# Altium PCB FMC_HPC_TO_LPC_BREAKOUT.PcbDoc (part 3 of 3)
Units mm, origin at the board's own origin, x right, y up, seen from the top; angles counter-clockwise.
Board outline 78.8 x 69 mm, 6 copper layers (Component Side L1, Layer 2, Layer 3, Layer 4, Layer 5, Bottom Layer L6), stack 1.527 mm thick; 19 components, 400 nets, 980 pads, 723 vias.
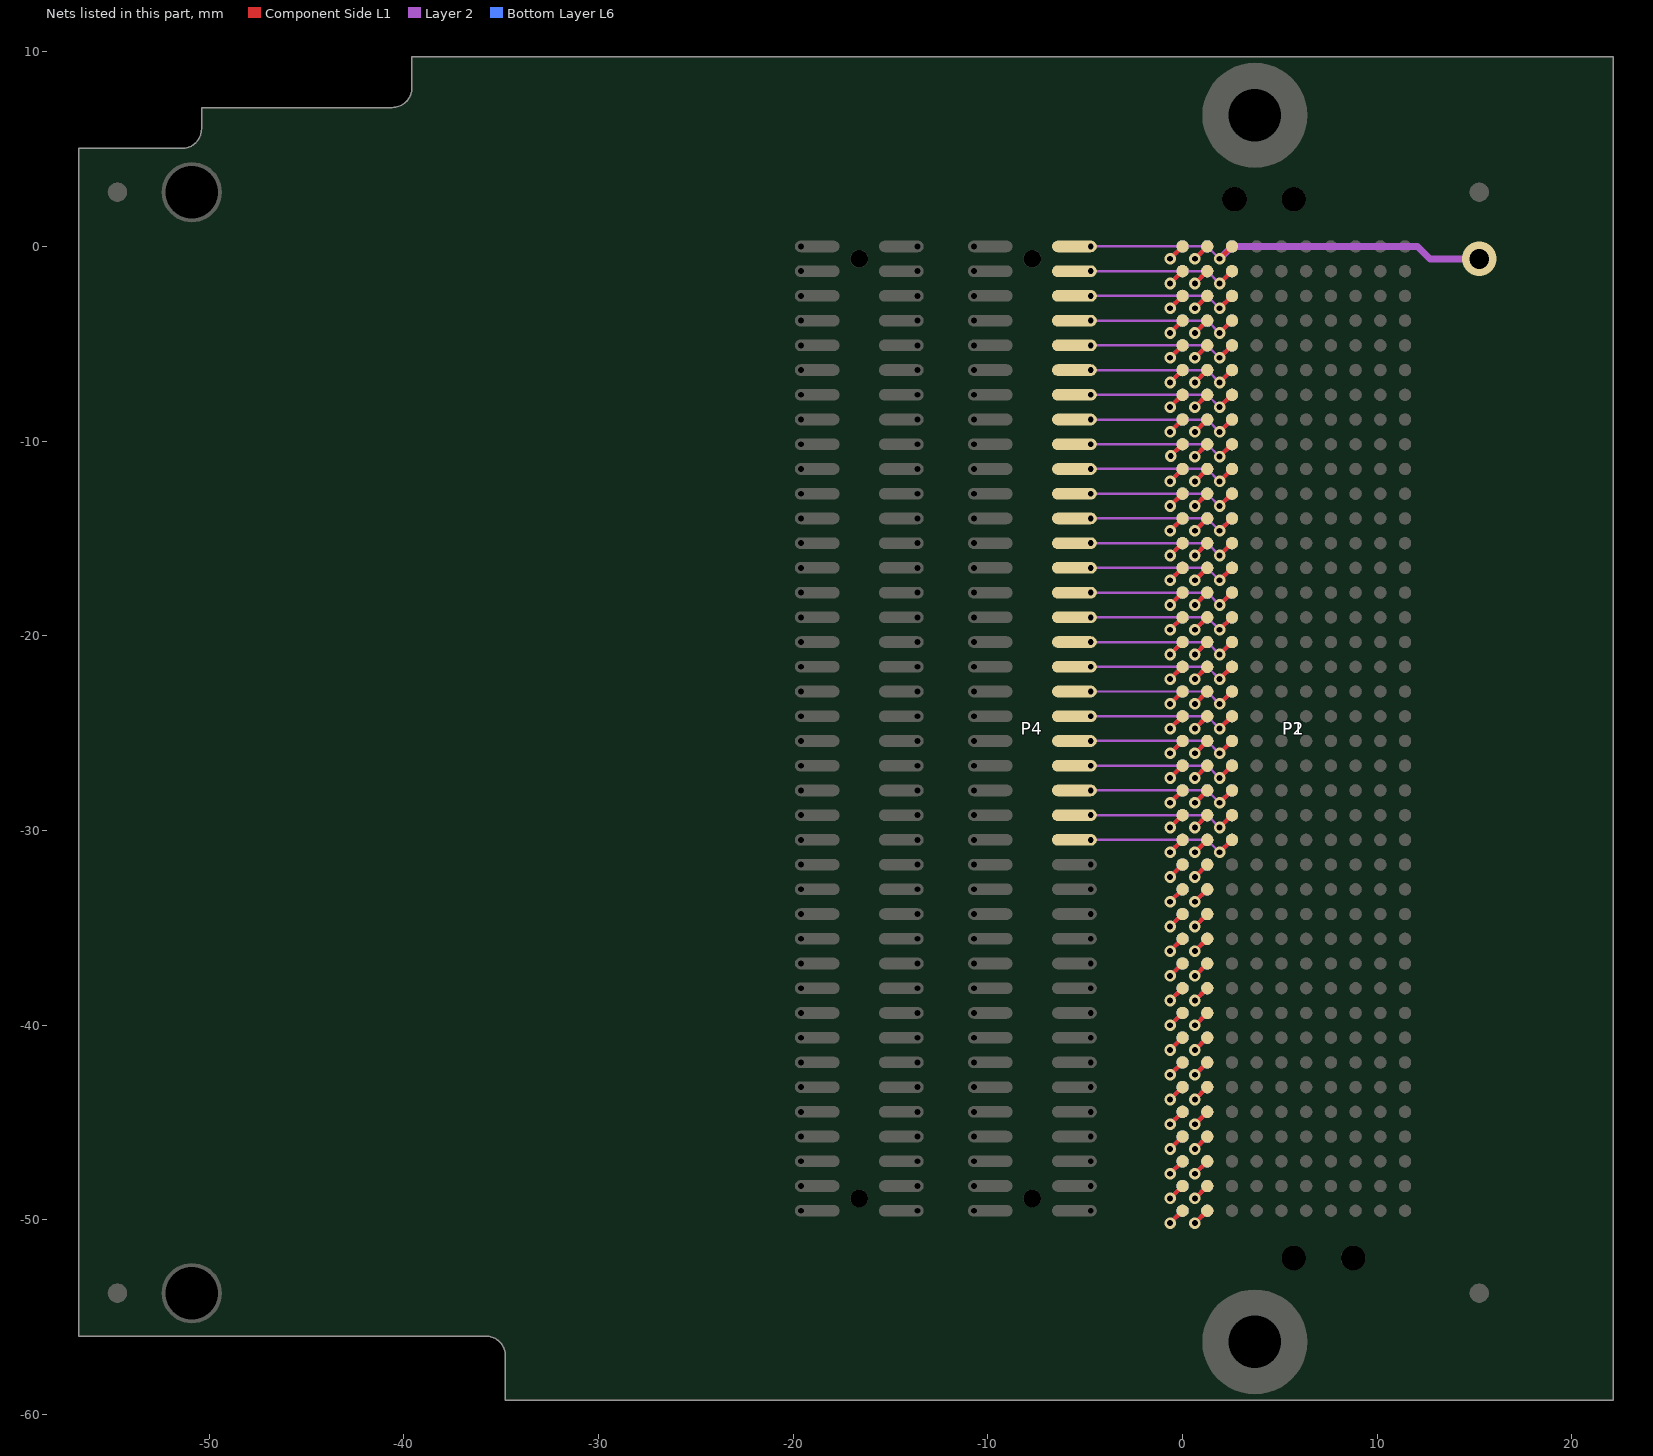
[diagram p7: the nets of this part, all layers, seen from the top]

## Via types
v1: diameter 0.6, hole 0.3, Component Side L1 to Bottom Layer L6, tented both sides, 400 vias
v2: diameter 1.778, hole 1.016, Component Side L1 to Bottom Layer L6, 323 vias

## Nets (pads, with @x,y where several pads share a name; then routed paths per layer and width w, separated by ;. In a path a pad name is that pad's centre, name@x,y a point inside that pad or via, vN(x,y) a via of type N, cw(c..) or ccw(c..) an arc to the next point about the centre after c; other vN are vias at no path point) (continued)
H16: P1.H16 P2.H16 P4.32 | length 8.7
  Component Side L1 w0.215: v1(1.905,-31.115) P1.H16@2.54,-30.48
  Layer 2 w0.127: P4.32@-4.715,-30.48 1.27,-30.48 v1(1.905,-31.115)
  Bottom Layer L6 w0.215: v1(1.905,-31.115) P2.H16@2.54,-30.48
H17: P1.H17 P2.H17 P4.34 | length 8.7
  Component Side L1 w0.215: v1(1.905,-29.845) P1.H17@2.54,-29.21
  Layer 2 w0.127: P4.34@-4.715,-29.21 1.27,-29.21 v1(1.905,-29.845)
  Bottom Layer L6 w0.215: v1(1.905,-29.845) P2.H17@2.54,-29.21
H18: P1.H18 P2.H18 P4.36 | length 8.7
  Component Side L1 w0.215: v1(1.905,-28.575) P1.H18@2.54,-27.94
  Layer 2 w0.127: P4.36@-4.715,-27.94 1.27,-27.94 v1(1.905,-28.575)
  Bottom Layer L6 w0.215: v1(1.905,-28.575) P2.H18@2.54,-27.94
H19: P1.H19 P2.H19 P4.38 | length 8.7
  Component Side L1 w0.215: v1(1.905,-27.305) P1.H19@2.54,-26.67
  Layer 2 w0.127: P4.38@-4.715,-26.67 1.27,-26.67 v1(1.905,-27.305)
  Bottom Layer L6 w0.215: v1(1.905,-27.305) P2.H19@2.54,-26.67
H20: P1.H20 P2.H20 P4.40 | length 8.7
  Component Side L1 w0.215: v1(1.905,-26.035) P1.H20@2.54,-25.4
  Layer 2 w0.127: P4.40@-4.715,-25.4 1.27,-25.4 v1(1.905,-26.035)
  Bottom Layer L6 w0.215: v1(1.905,-26.035) P2.H20@2.54,-25.4
H21: P1.H21 P2.H21 P4.42 | length 8.7
  Component Side L1 w0.215: v1(1.905,-24.765) P1.H21@2.54,-24.13
  Layer 2 w0.127: P4.42@-4.715,-24.13 1.27,-24.13 v1(1.905,-24.765)
  Bottom Layer L6 w0.215: v1(1.905,-24.765) P2.H21@2.54,-24.13
H22: P1.H22 P2.H22 P4.44 | length 8.7
  Component Side L1 w0.215: v1(1.905,-23.495) P1.H22@2.54,-22.86
  Layer 2 w0.127: P4.44@-4.715,-22.86 1.27,-22.86 v1(1.905,-23.495)
  Bottom Layer L6 w0.215: v1(1.905,-23.495) P2.H22@2.54,-22.86
H23: P1.H23 P2.H23 P4.46 | length 8.7
  Component Side L1 w0.215: v1(1.905,-22.225) P1.H23@2.54,-21.59
  Layer 2 w0.127: P4.46@-4.715,-21.59 1.27,-21.59 v1(1.905,-22.225)
  Bottom Layer L6 w0.215: v1(1.905,-22.225) P2.H23@2.54,-21.59
H24: P1.H24 P2.H24 P4.48 | length 8.7
  Component Side L1 w0.215: v1(1.905,-20.955) P1.H24@2.54,-20.32
  Layer 2 w0.127: P4.48@-4.715,-20.32 1.27,-20.32 v1(1.905,-20.955)
  Bottom Layer L6 w0.215: v1(1.905,-20.955) P2.H24@2.54,-20.32
H25: P1.H25 P2.H25 P4.50 | length 8.7
  Component Side L1 w0.215: v1(1.905,-19.685) P1.H25@2.54,-19.05
  Layer 2 w0.127: P4.50@-4.715,-19.05 1.27,-19.05 v1(1.905,-19.685)
  Bottom Layer L6 w0.215: v1(1.905,-19.685) P2.H25@2.54,-19.05
H26: P1.H26 P2.H26 P4.52 | length 8.7
  Component Side L1 w0.215: v1(1.905,-18.415) P1.H26@2.54,-17.78
  Layer 2 w0.127: P4.52@-4.715,-17.78 1.27,-17.78 v1(1.905,-18.415)
  Bottom Layer L6 w0.215: v1(1.905,-18.415) P2.H26@2.54,-17.78
H27: P1.H27 P2.H27 P4.54 | length 8.7
  Component Side L1 w0.215: v1(1.905,-17.145) P1.H27@2.54,-16.51
  Layer 2 w0.127: P4.54@-4.715,-16.51 1.27,-16.51 v1(1.905,-17.145)
  Bottom Layer L6 w0.215: v1(1.905,-17.145) P2.H27@2.54,-16.51
H28: P1.H28 P2.H28 P4.56 | length 8.7
  Component Side L1 w0.215: v1(1.905,-15.875) P1.H28@2.54,-15.24
  Layer 2 w0.127: P4.56@-4.715,-15.24 1.27,-15.24 v1(1.905,-15.875)
  Bottom Layer L6 w0.215: v1(1.905,-15.875) P2.H28@2.54,-15.24
H29: P1.H29 P2.H29 P4.58 | length 8.7
  Component Side L1 w0.215: v1(1.905,-14.605) P1.H29@2.54,-13.97
  Layer 2 w0.127: P4.58@-4.715,-13.97 1.27,-13.97 v1(1.905,-14.605)
  Bottom Layer L6 w0.215: v1(1.905,-14.605) P2.H29@2.54,-13.97
H30: P1.H30 P2.H30 P4.60 | length 8.7
  Component Side L1 w0.215: v1(1.905,-13.335) P1.H30@2.54,-12.7
  Layer 2 w0.127: P4.60@-4.715,-12.7 1.27,-12.7 v1(1.905,-13.335)
  Bottom Layer L6 w0.215: v1(1.905,-13.335) P2.H30@2.54,-12.7
H31: P1.H31 P2.H31 P4.62 | length 8.7
  Component Side L1 w0.215: v1(1.905,-12.065) P1.H31@2.54,-11.43
  Layer 2 w0.127: P4.62@-4.715,-11.43 1.27,-11.43 v1(1.905,-12.065)
  Bottom Layer L6 w0.215: v1(1.905,-12.065) P2.H31@2.54,-11.43
H32: P1.H32 P2.H32 P4.64 | length 8.7
  Component Side L1 w0.215: v1(1.905,-10.795) P1.H32@2.54,-10.16
  Layer 2 w0.127: P4.64@-4.715,-10.16 1.27,-10.16 v1(1.905,-10.795)
  Bottom Layer L6 w0.215: v1(1.905,-10.795) P2.H32@2.54,-10.16
H33: P1.H33 P2.H33 P4.66 | length 8.7
  Component Side L1 w0.215: v1(1.905,-9.525) P1.H33@2.54,-8.89
  Layer 2 w0.127: P4.66@-4.715,-8.89 1.27,-8.89 v1(1.905,-9.525)
  Bottom Layer L6 w0.215: v1(1.905,-9.525) P2.H33@2.54,-8.89
H34: P1.H34 P2.H34 P4.68 | length 8.7
  Component Side L1 w0.215: v1(1.905,-8.255) P1.H34@2.54,-7.62
  Layer 2 w0.127: P4.68@-4.715,-7.62 1.27,-7.62 v1(1.905,-8.255)
  Bottom Layer L6 w0.215: v1(1.905,-8.255) P2.H34@2.54,-7.62
H35: P1.H35 P2.H35 P4.70 | length 8.7
  Component Side L1 w0.215: v1(1.905,-6.985) P1.H35@2.54,-6.35
  Layer 2 w0.127: P4.70@-4.715,-6.35 1.27,-6.35 v1(1.905,-6.985)
  Bottom Layer L6 w0.215: v1(1.905,-6.985) P2.H35@2.54,-6.35
H36: P1.H36 P2.H36 P4.72 | length 8.7
  Component Side L1 w0.215: v1(1.905,-5.715) P1.H36@2.54,-5.08
  Layer 2 w0.127: P4.72@-4.715,-5.08 1.27,-5.08 v1(1.905,-5.715)
  Bottom Layer L6 w0.215: v1(1.905,-5.715) P2.H36@2.54,-5.08
H37: P1.H37 P2.H37 P4.74 | length 8.7
  Component Side L1 w0.215: v1(1.905,-4.445) P1.H37@2.54,-3.81
  Layer 2 w0.127: P4.74@-4.715,-3.81 1.27,-3.81 v1(1.905,-4.445)
  Bottom Layer L6 w0.215: v1(1.905,-4.445) P2.H37@2.54,-3.81
H38: P1.H38 P2.H38 P4.76 | length 8.7
  Component Side L1 w0.215: v1(1.905,-3.175) P1.H38@2.54,-2.54
  Layer 2 w0.127: P4.76@-4.715,-2.54 1.27,-2.54 v1(1.905,-3.175)
  Bottom Layer L6 w0.215: v1(1.905,-3.175) P2.H38@2.54,-2.54
H39: P1.H39 P2.H39 P4.78 | length 8.7
  Component Side L1 w0.215: v1(1.905,-1.905) P1.H39@2.54,-1.27
  Layer 2 w0.127: P4.78@-4.715,-1.27 1.27,-1.27 v1(1.905,-1.905)
  Bottom Layer L6 w0.215: v1(1.905,-1.905) P2.H39@2.54,-1.27
H40: P1.H40 P2.H40 P4.80 | length 22.5
  Component Side L1 w0.215: v1(1.905,-0.635) P1.H40@2.54,0
  Layer 2 w0.127: P4.80@-4.715,0 1.27,0 v1(1.905,-0.635)
  Layer 2 w0.35: v1(1.905,-0.635) 2.54,0 12.065,0 12.705,-0.64 v2(15.24,-0.64)
  Bottom Layer L6 w0.215: v1(1.905,-0.635) P2.H40@2.54,0
J1: P1.J1 P2.J1 | length 1.8
  Component Side L1 w0.215: v1(0.635,-50.165) P1.J1@1.27,-49.53
  Bottom Layer L6 w0.215: v1(0.635,-50.165) P2.J1@1.27,-49.53
J2: P1.J2 P2.J2 | length 1.8
  Component Side L1 w0.215: v1(0.635,-48.895) P1.J2@1.27,-48.26
  Bottom Layer L6 w0.215: v1(0.635,-48.895) P2.J2@1.27,-48.26
J3: P1.J3 P2.J3 | length 1.8
  Component Side L1 w0.215: v1(0.635,-47.625) P1.J3@1.27,-46.99
  Bottom Layer L6 w0.215: v1(0.635,-47.625) P2.J3@1.27,-46.99
J4: P1.J4 P2.J4 | length 1.8
  Component Side L1 w0.215: v1(0.635,-46.355) P1.J4@1.27,-45.72
  Bottom Layer L6 w0.215: v1(0.635,-46.355) P2.J4@1.27,-45.72
J5: P1.J5 P2.J5 | length 1.8
  Component Side L1 w0.215: v1(0.635,-45.085) P1.J5@1.27,-44.45
  Bottom Layer L6 w0.215: v1(0.635,-45.085) P2.J5@1.27,-44.45
J6: P1.J6 P2.J6 | length 1.8
  Component Side L1 w0.215: v1(0.635,-43.815) P1.J6@1.27,-43.18
  Bottom Layer L6 w0.215: v1(0.635,-43.815) P2.J6@1.27,-43.18
J7: P1.J7 P2.J7 | length 1.8
  Component Side L1 w0.215: v1(0.635,-42.545) P1.J7@1.27,-41.91
  Bottom Layer L6 w0.215: v1(0.635,-42.545) P2.J7@1.27,-41.91
J8: P1.J8 P2.J8 | length 1.8
  Component Side L1 w0.215: v1(0.635,-41.275) P1.J8@1.27,-40.64
  Bottom Layer L6 w0.215: v1(0.635,-41.275) P2.J8@1.27,-40.64
J9: P1.J9 P2.J9 | length 1.8
  Component Side L1 w0.215: v1(0.635,-40.005) P1.J9@1.27,-39.37
  Bottom Layer L6 w0.215: v1(0.635,-40.005) P2.J9@1.27,-39.37
J10: P1.J10 P2.J10 | length 1.8
  Component Side L1 w0.215: v1(0.635,-38.735) P1.J10@1.27,-38.1
  Bottom Layer L6 w0.215: v1(0.635,-38.735) P2.J10@1.27,-38.1
J11: P1.J11 P2.J11 | length 1.8
  Component Side L1 w0.215: v1(0.635,-37.465) P1.J11@1.27,-36.83
  Bottom Layer L6 w0.215: v1(0.635,-37.465) P2.J11@1.27,-36.83
J12: P1.J12 P2.J12 | length 1.8
  Component Side L1 w0.215: v1(0.635,-36.195) P1.J12@1.27,-35.56
  Bottom Layer L6 w0.215: v1(0.635,-36.195) P2.J12@1.27,-35.56
J13: P1.J13 P2.J13 | length 1.8
  Component Side L1 w0.215: v1(0.635,-34.925) P1.J13@1.27,-34.29
  Bottom Layer L6 w0.215: v1(0.635,-34.925) P2.J13@1.27,-34.29
J14: P1.J14 P2.J14 | length 1.8
  Component Side L1 w0.215: v1(0.635,-33.655) P1.J14@1.27,-33.02
  Bottom Layer L6 w0.215: v1(0.635,-33.655) P2.J14@1.27,-33.02
J15: P1.J15 P2.J15 | length 1.8
  Component Side L1 w0.215: v1(0.635,-32.385) P1.J15@1.27,-31.75
  Bottom Layer L6 w0.215: v1(0.635,-32.385) P2.J15@1.27,-31.75
J16: P1.J16 P2.J16 | length 1.8
  Component Side L1 w0.215: v1(0.635,-31.115) P1.J16@1.27,-30.48
  Bottom Layer L6 w0.215: v1(0.635,-31.115) P2.J16@1.27,-30.48
J17: P1.J17 P2.J17 | length 1.8
  Component Side L1 w0.215: v1(0.635,-29.845) P1.J17@1.27,-29.21
  Bottom Layer L6 w0.215: v1(0.635,-29.845) P2.J17@1.27,-29.21
J18: P1.J18 P2.J18 | length 1.8
  Component Side L1 w0.215: v1(0.635,-28.575) P1.J18@1.27,-27.94
  Bottom Layer L6 w0.215: v1(0.635,-28.575) P2.J18@1.27,-27.94
J19: P1.J19 P2.J19 | length 1.8
  Component Side L1 w0.215: v1(0.635,-27.305) P1.J19@1.27,-26.67
  Bottom Layer L6 w0.215: v1(0.635,-27.305) P2.J19@1.27,-26.67
J20: P1.J20 P2.J20 | length 1.8
  Component Side L1 w0.215: v1(0.635,-26.035) P1.J20@1.27,-25.4
  Bottom Layer L6 w0.215: v1(0.635,-26.035) P2.J20@1.27,-25.4
J21: P1.J21 P2.J21 | length 1.8
  Component Side L1 w0.215: v1(0.635,-24.765) P1.J21@1.27,-24.13
  Bottom Layer L6 w0.215: v1(0.635,-24.765) P2.J21@1.27,-24.13
J22: P1.J22 P2.J22 | length 1.8
  Component Side L1 w0.215: v1(0.635,-23.495) P1.J22@1.27,-22.86
  Bottom Layer L6 w0.215: v1(0.635,-23.495) P2.J22@1.27,-22.86
J23: P1.J23 P2.J23 | length 1.8
  Component Side L1 w0.215: v1(0.635,-22.225) P1.J23@1.27,-21.59
  Bottom Layer L6 w0.215: v1(0.635,-22.225) P2.J23@1.27,-21.59
J24: P1.J24 P2.J24 | length 1.8
  Component Side L1 w0.215: v1(0.635,-20.955) P1.J24@1.27,-20.32
  Bottom Layer L6 w0.215: v1(0.635,-20.955) P2.J24@1.27,-20.32
J25: P1.J25 P2.J25 | length 1.8
  Component Side L1 w0.215: v1(0.635,-19.685) P1.J25@1.27,-19.05
  Bottom Layer L6 w0.215: v1(0.635,-19.685) P2.J25@1.27,-19.05
J26: P1.J26 P2.J26 | length 1.8
  Component Side L1 w0.215: v1(0.635,-18.415) P1.J26@1.27,-17.78
  Bottom Layer L6 w0.215: v1(0.635,-18.415) P2.J26@1.27,-17.78
J27: P1.J27 P2.J27 | length 1.8
  Component Side L1 w0.215: v1(0.635,-17.145) P1.J27@1.27,-16.51
  Bottom Layer L6 w0.215: v1(0.635,-17.145) P2.J27@1.27,-16.51
J28: P1.J28 P2.J28 | length 1.8
  Component Side L1 w0.215: v1(0.635,-15.875) P1.J28@1.27,-15.24
  Bottom Layer L6 w0.215: v1(0.635,-15.875) P2.J28@1.27,-15.24
J29: P1.J29 P2.J29 | length 1.8
  Component Side L1 w0.215: v1(0.635,-14.605) P1.J29@1.27,-13.97
  Bottom Layer L6 w0.215: v1(0.635,-14.605) P2.J29@1.27,-13.97
J30: P1.J30 P2.J30 | length 1.8
  Component Side L1 w0.215: v1(0.635,-13.335) P1.J30@1.27,-12.7
  Bottom Layer L6 w0.215: v1(0.635,-13.335) P2.J30@1.27,-12.7
J31: P1.J31 P2.J31 | length 1.8
  Component Side L1 w0.215: v1(0.635,-12.065) P1.J31@1.27,-11.43
  Bottom Layer L6 w0.215: v1(0.635,-12.065) P2.J31@1.27,-11.43
J32: P1.J32 P2.J32 | length 1.8
  Component Side L1 w0.215: v1(0.635,-10.795) P1.J32@1.27,-10.16
  Bottom Layer L6 w0.215: v1(0.635,-10.795) P2.J32@1.27,-10.16
J33: P1.J33 P2.J33 | length 1.8
  Component Side L1 w0.215: v1(0.635,-9.525) P1.J33@1.27,-8.89
  Bottom Layer L6 w0.215: v1(0.635,-9.525) P2.J33@1.27,-8.89
J34: P1.J34 P2.J34 | length 1.8
  Component Side L1 w0.215: v1(0.635,-8.255) P1.J34@1.27,-7.62
  Bottom Layer L6 w0.215: v1(0.635,-8.255) P2.J34@1.27,-7.62
J35: P1.J35 P2.J35 | length 1.8
  Component Side L1 w0.215: v1(0.635,-6.985) P1.J35@1.27,-6.35
  Bottom Layer L6 w0.215: v1(0.635,-6.985) P2.J35@1.27,-6.35
J36: P1.J36 P2.J36 | length 1.8
  Component Side L1 w0.215: v1(0.635,-5.715) P1.J36@1.27,-5.08
  Bottom Layer L6 w0.215: v1(0.635,-5.715) P2.J36@1.27,-5.08
J37: P1.J37 P2.J37 | length 1.8
  Component Side L1 w0.215: v1(0.635,-4.445) P1.J37@1.27,-3.81
  Bottom Layer L6 w0.215: v1(0.635,-4.445) P2.J37@1.27,-3.81
J38: P1.J38 P2.J38 | length 1.8
  Component Side L1 w0.215: v1(0.635,-3.175) P1.J38@1.27,-2.54
  Bottom Layer L6 w0.215: v1(0.635,-3.175) P2.J38@1.27,-2.54
J39: P1.J39 P2.J39 | length 1.8
  Component Side L1 w0.215: v1(0.635,-1.905) P1.J39@1.27,-1.27
  Bottom Layer L6 w0.215: v1(0.635,-1.905) P2.J39@1.27,-1.27
J40: P1.J40 P2.J40 | length 1.8
  Component Side L1 w0.215: v1(0.635,-0.635) P1.J40@1.27,0
  Bottom Layer L6 w0.215: v1(0.635,-0.635) P2.J40@1.27,0
K1: P1.K1 P2.K1 | length 1.8
  Component Side L1 w0.215: v1(-0.635,-50.165) P1.K1@0,-49.53
  Bottom Layer L6 w0.215: v1(-0.635,-50.165) P2.K1@0,-49.53
K2: P1.K2 P2.K2 | length 1.8
  Component Side L1 w0.215: v1(-0.635,-48.895) P1.K2@0,-48.26
  Bottom Layer L6 w0.215: v1(-0.635,-48.895) P2.K2@0,-48.26
K3: P1.K3 P2.K3 | length 1.8
  Component Side L1 w0.215: v1(-0.635,-47.625) P1.K3@0,-46.99
  Bottom Layer L6 w0.215: v1(-0.635,-47.625) P2.K3@0,-46.99
K4: P1.K4 P2.K4 | length 1.8
  Component Side L1 w0.215: v1(-0.635,-46.355) P1.K4@0,-45.72
  Bottom Layer L6 w0.215: v1(-0.635,-46.355) P2.K4@0,-45.72
K5: P1.K5 P2.K5 | length 1.8
  Component Side L1 w0.215: v1(-0.635,-45.085) P1.K5@0,-44.45
  Bottom Layer L6 w0.215: v1(-0.635,-45.085) P2.K5@0,-44.45
K6: P1.K6 P2.K6 | length 1.8
  Component Side L1 w0.215: v1(-0.635,-43.815) P1.K6@0,-43.18
  Bottom Layer L6 w0.215: v1(-0.635,-43.815) P2.K6@0,-43.18
K7: P1.K7 P2.K7 | length 1.8
  Component Side L1 w0.215: v1(-0.635,-42.545) P1.K7@0,-41.91
  Bottom Layer L6 w0.215: v1(-0.635,-42.545) P2.K7@0,-41.91
K8: P1.K8 P2.K8 | length 1.8
  Component Side L1 w0.215: v1(-0.635,-41.275) P1.K8@0,-40.64
  Bottom Layer L6 w0.215: v1(-0.635,-41.275) P2.K8@0,-40.64
K9: P1.K9 P2.K9 | length 1.8
  Component Side L1 w0.215: v1(-0.635,-40.005) P1.K9@0,-39.37
  Bottom Layer L6 w0.215: v1(-0.635,-40.005) P2.K9@0,-39.37
K10: P1.K10 P2.K10 | length 1.8
  Component Side L1 w0.215: v1(-0.635,-38.735) P1.K10@0,-38.1
  Bottom Layer L6 w0.215: v1(-0.635,-38.735) P2.K10@0,-38.1
K11: P1.K11 P2.K11 | length 1.8
  Component Side L1 w0.215: v1(-0.635,-37.465) P1.K11@0,-36.83
  Bottom Layer L6 w0.215: v1(-0.635,-37.465) P2.K11@0,-36.83
K12: P1.K12 P2.K12 | length 1.8
  Component Side L1 w0.215: v1(-0.635,-36.195) P1.K12@0,-35.56
  Bottom Layer L6 w0.215: v1(-0.635,-36.195) P2.K12@0,-35.56
K13: P1.K13 P2.K13 | length 1.8
  Component Side L1 w0.215: v1(-0.635,-34.925) P1.K13@0,-34.29
  Bottom Layer L6 w0.215: v1(-0.635,-34.925) P2.K13@0,-34.29
K14: P1.K14 P2.K14 | length 1.8
  Component Side L1 w0.215: v1(-0.635,-33.655) P1.K14@0,-33.02
  Bottom Layer L6 w0.215: v1(-0.635,-33.655) P2.K14@0,-33.02
K15: P1.K15 P2.K15 | length 1.8
  Component Side L1 w0.215: v1(-0.635,-32.385) P1.K15@0,-31.75
  Bottom Layer L6 w0.215: v1(-0.635,-32.385) P2.K15@0,-31.75
K16: P1.K16 P2.K16 | length 1.8
  Component Side L1 w0.215: v1(-0.635,-31.115) P1.K16@0,-30.48
  Bottom Layer L6 w0.215: v1(-0.635,-31.115) P2.K16@0,-30.48
K17: P1.K17 P2.K17 | length 1.8
  Component Side L1 w0.215: v1(-0.635,-29.845) P1.K17@0,-29.21
  Bottom Layer L6 w0.215: v1(-0.635,-29.845) P2.K17@0,-29.21
K18: P1.K18 P2.K18 | length 1.8
  Component Side L1 w0.215: v1(-0.635,-28.575) P1.K18@0,-27.94
  Bottom Layer L6 w0.215: v1(-0.635,-28.575) P2.K18@0,-27.94
K19: P1.K19 P2.K19 | length 1.8
  Component Side L1 w0.215: v1(-0.635,-27.305) P1.K19@0,-26.67
  Bottom Layer L6 w0.215: v1(-0.635,-27.305) P2.K19@0,-26.67
K20: P1.K20 P2.K20 | length 1.8
  Component Side L1 w0.215: v1(-0.635,-26.035) P1.K20@0,-25.4
  Bottom Layer L6 w0.215: v1(-0.635,-26.035) P2.K20@0,-25.4
K21: P1.K21 P2.K21 | length 1.8
  Component Side L1 w0.215: v1(-0.635,-24.765) P1.K21@0,-24.13
  Bottom Layer L6 w0.215: v1(-0.635,-24.765) P2.K21@0,-24.13
K22: P1.K22 P2.K22 | length 1.8
  Component Side L1 w0.215: v1(-0.635,-23.495) P1.K22@0,-22.86
  Bottom Layer L6 w0.215: v1(-0.635,-23.495) P2.K22@0,-22.86
K23: P1.K23 P2.K23 | length 1.8
  Component Side L1 w0.215: v1(-0.635,-22.225) P1.K23@0,-21.59
  Bottom Layer L6 w0.215: v1(-0.635,-22.225) P2.K23@0,-21.59
K24: P1.K24 P2.K24 | length 1.8
  Component Side L1 w0.215: v1(-0.635,-20.955) P1.K24@0,-20.32
  Bottom Layer L6 w0.215: v1(-0.635,-20.955) P2.K24@0,-20.32
K25: P1.K25 P2.K25 | length 1.8
  Component Side L1 w0.215: v1(-0.635,-19.685) P1.K25@0,-19.05
  Bottom Layer L6 w0.215: v1(-0.635,-19.685) P2.K25@0,-19.05
K26: P1.K26 P2.K26 | length 1.8
  Component Side L1 w0.215: v1(-0.635,-18.415) P1.K26@0,-17.78
  Bottom Layer L6 w0.215: v1(-0.635,-18.415) P2.K26@0,-17.78
K27: P1.K27 P2.K27 | length 1.8
  Component Side L1 w0.215: v1(-0.635,-17.145) P1.K27@0,-16.51
  Bottom Layer L6 w0.215: v1(-0.635,-17.145) P2.K27@0,-16.51
K28: P1.K28 P2.K28 | length 1.8
  Component Side L1 w0.215: v1(-0.635,-15.875) P1.K28@0,-15.24
  Bottom Layer L6 w0.215: v1(-0.635,-15.875) P2.K28@0,-15.24
K29: P1.K29 P2.K29 | length 1.8
  Component Side L1 w0.215: v1(-0.635,-14.605) P1.K29@0,-13.97
  Bottom Layer L6 w0.215: v1(-0.635,-14.605) P2.K29@0,-13.97
K30: P1.K30 P2.K30 | length 1.8
  Component Side L1 w0.215: v1(-0.635,-13.335) P1.K30@0,-12.7
  Bottom Layer L6 w0.215: v1(-0.635,-13.335) P2.K30@0,-12.7
K31: P1.K31 P2.K31 | length 1.8
  Component Side L1 w0.215: v1(-0.635,-12.065) P1.K31@0,-11.43
  Bottom Layer L6 w0.215: v1(-0.635,-12.065) P2.K31@0,-11.43
K32: P1.K32 P2.K32 | length 1.7
  Component Side L1 w0.215: v1(-0.608,-10.768) P1.K32@0,-10.16
  Bottom Layer L6 w0.215: v1(-0.608,-10.768) P2.K32@0,-10.16
K33: P1.K33 P2.K33 | length 1.8
  Component Side L1 w0.215: v1(-0.635,-9.525) P1.K33@0,-8.89
  Bottom Layer L6 w0.215: v1(-0.635,-9.525) P2.K33@0,-8.89
K34: P1.K34 P2.K34 | length 1.8
  Component Side L1 w0.215: v1(-0.635,-8.255) P1.K34@0,-7.62
  Bottom Layer L6 w0.215: v1(-0.635,-8.255) P2.K34@0,-7.62
K35: P1.K35 P2.K35 | length 1.8
  Component Side L1 w0.215: v1(-0.635,-6.985) P1.K35@0,-6.35
  Bottom Layer L6 w0.215: v1(-0.635,-6.985) P2.K35@0,-6.35
K36: P1.K36 P2.K36 | length 1.8
  Component Side L1 w0.215: v1(-0.635,-5.715) P1.K36@0,-5.08
  Bottom Layer L6 w0.215: v1(-0.635,-5.715) P2.K36@0,-5.08
K37: P1.K37 P2.K37 | length 1.8
  Component Side L1 w0.215: v1(-0.635,-4.445) P1.K37@0,-3.81
  Bottom Layer L6 w0.215: v1(-0.635,-4.445) P2.K37@0,-3.81
K38: P1.K38 P2.K38 | length 1.8
  Component Side L1 w0.215: v1(-0.635,-3.175) P1.K38@0,-2.54
  Bottom Layer L6 w0.215: v1(-0.635,-3.175) P2.K38@0,-2.54
K39: P1.K39 P2.K39 | length 1.8
  Component Side L1 w0.215: v1(-0.635,-1.905) P1.K39@0,-1.27
  Bottom Layer L6 w0.215: v1(-0.635,-1.905) P2.K39@0,-1.27
K40: P1.K40 P2.K40 | length 1.8
  Component Side L1 w0.215: v1(-0.635,-0.635) P1.K40@0,0
  Bottom Layer L6 w0.215: v1(-0.635,-0.635) P2.K40@0,0
pads on no net: FM1.FD0 FM2.FD0 FM3.FD0 FM4.FD0 FM5.FD0 FM6.FD0 FM7.FD0 FM8.FD0 MH1.0 MH2.0 MH3.0 MH4.0 P1.MH1 P1.MH2 P2.MH1 P2.MH2 P3.81 P3.82 P4.81 P4.82
copper on no net: | length 118.9
  Component Side L1 w0.127: -31.242,6.477 -23.368,6.477 -23.368,8.509 -31.242,8.509 -31.242,6.477
  Layer 2 w0.127: -31.242,6.477 -23.368,6.477 -23.368,8.509 -31.242,8.509 -31.242,6.477
  Layer 5 w0.127: -31.242,6.477 -23.368,6.477 -23.368,8.509 -31.242,8.509 -31.242,6.477
  Layer 3 w0.127: -31.242,6.477 -23.368,6.477 -23.368,8.509 -31.242,8.509 -31.242,6.477
  Layer 4 w0.127: -31.242,6.477 -23.368,6.477 -23.368,8.509 -31.242,8.509 -31.242,6.477
  Bottom Layer L6 w0.127: -31.242,6.477 -23.368,6.477 -23.368,8.509 -31.242,8.509 -31.242,6.477
  other v2: -47.085,-53.725 -44.545,-53.725 -42.005,-53.725 -39.465,-53.725 -36.925,-53.725 -34.385,-53.725 -31.845,-53.725 -29.305,-53.725 -26.765,-53.725 -24.225,-53.725 -54.705,-51.185 -52.165,-51.185 -49.625,-51.185 -47.085,-51.185 -44.545,-51.185 -42.005,-51.185 -39.465,-51.185 -36.925,-51.185 -34.385,-51.185 -31.845,-51.185 -29.305,-51.185 -26.765,-51.185 -24.225,-51.185 -54.705,-48.645 -52.165,-48.645 -49.625,-48.645 -47.085,-48.645 -44.545,-48.645 -42.005,-48.645 -39.465,-48.645 -36.925,-48.645 -34.385,-48.645 -31.845,-48.645 -29.305,-48.645 -26.765,-48.645 -24.225,-48.645 -54.705,-46.105 -52.165,-46.105 -49.625,-46.105 -47.085,-46.105 -44.545,-46.105 -42.005,-46.105 -39.465,-46.105 -36.925,-46.105 -34.385,-46.105 -31.845,-46.105 -29.305,-46.105 -26.765,-46.105 -24.225,-46.105 -54.705,-43.565 -52.165,-43.565 -49.625,-43.565 -47.085,-43.565 -44.545,-43.565 -42.005,-43.565 -39.465,-43.565 -36.925,-43.565 -34.385,-43.565 -31.845,-43.565 -29.305,-43.565 -26.765,-43.565 -24.225,-43.565 -54.705,-41.025 -52.165,-41.025 -49.625,-41.025 -47.085,-41.025 -44.545,-41.025 -42.005,-41.025 -39.465,-41.025 -36.925,-41.025 -34.385,-41.025 -31.845,-41.025 -29.305,-41.025 -26.765,-41.025 -24.225,-41.025 -54.705,-38.485 -52.165,-38.485 -49.625,-38.485 -47.085,-38.485 -44.545,-38.485 -42.005,-38.485 -39.465,-38.485 -36.925,-38.485 -34.385,-38.485 -31.845,-38.485 -29.305,-38.485 -26.765,-38.485 -24.225,-38.485 -54.705,-35.945 -52.165,-35.945 -49.625,-35.945 -47.085,-35.945 -44.545,-35.945 -42.005,-35.945 -39.465,-35.945 -36.925,-35.945 -34.385,-35.945 -31.845,-35.945 -29.305,-35.945 -26.765,-35.945 -24.225,-35.945 -54.705,-33.405 -52.165,-33.405 -49.625,-33.405 -47.085,-33.405 -44.545,-33.405 -42.005,-33.405 -39.465,-33.405 -36.925,-33.405 -34.385,-33.405 -31.845,-33.405 -29.305,-33.405 -26.765,-33.405 -24.225,-33.405 -54.705,-30.865 -52.165,-30.865 -49.625,-30.865 -47.085,-30.865 -44.545,-30.865 -42.005,-30.865 -39.465,-30.865 -36.925,-30.865 -34.385,-30.865 -31.845,-30.865 -29.305,-30.865 -26.765,-30.865 -24.225,-30.865 -54.705,-28.325 -52.165,-28.325 -49.625,-28.325 -47.085,-28.325 -44.545,-28.325 -42.005,-28.325 -39.465,-28.325 -36.925,-28.325 -34.385,-28.325 -31.845,-28.325 -29.305,-28.325 -26.765,-28.325 -24.225,-28.325 -54.705,-25.785 -52.165,-25.785 -49.625,-25.785 -47.085,-25.785 -44.545,-25.785 -42.005,-25.785 -39.465,-25.785 -36.925,-25.785 -34.385,-25.785 -31.845,-25.785 -29.305,-25.785 -26.765,-25.785 -24.225,-25.785 -54.705,-23.245 -52.165,-23.245 -49.625,-23.245 -47.085,-23.245 -44.545,-23.245 -42.005,-23.245 -39.465,-23.245 -36.925,-23.245 -34.385,-23.245 -31.845,-23.245 -29.305,-23.245 -26.765,-23.245 -24.225,-23.245 -54.705,-20.705 -52.165,-20.705 -49.625,-20.705 -47.085,-20.705 -44.545,-20.705 -42.005,-20.705 -39.465,-20.705 -36.925,-20.705 -34.385,-20.705 -31.845,-20.705 -29.305,-20.705 -26.765,-20.705 -24.225,-20.705 -54.705,-18.165 -52.165,-18.165 -49.625,-18.165 -47.085,-18.165 -44.545,-18.165 -42.005,-18.165 -39.465,-18.165 -36.925,-18.165 -34.385,-18.165 -31.845,-18.165 -29.305,-18.165 -26.765,-18.165 -24.225,-18.165 -54.705,-15.625 -52.165,-15.625 -49.625,-15.625 -47.085,-15.625 -44.545,-15.625 -42.005,-15.625 -39.465,-15.625 -36.925,-15.625 -34.385,-15.625 -31.845,-15.625 -29.305,-15.625 -26.765,-15.625 -24.225,-15.625 -54.705,-13.085 -52.165,-13.085 -49.625,-13.085 -47.085,-13.085 -44.545,-13.085 -42.005,-13.085 -39.465,-13.085 -36.925,-13.085 -34.385,-13.085 -31.845,-13.085 -29.305,-13.085 -26.765,-13.085 -24.225,-13.085 -54.705,-10.545 -52.165,-10.545 -49.625,-10.545 -47.085,-10.545 -44.545,-10.545 -42.005,-10.545 -39.465,-10.545 -36.925,-10.545 -34.385,-10.545 -31.845,-10.545 -29.305,-10.545 -26.765,-10.545 -24.225,-10.545 -54.705,-8.005 -52.165,-8.005 -49.625,-8.005 -47.085,-8.005 -44.545,-8.005 -42.005,-8.005 -39.465,-8.005 -36.925,-8.005 -34.385,-8.005 -31.845,-8.005 -29.305,-8.005 -26.765,-8.005 -24.225,-8.005 -54.705,-5.465 -52.165,-5.465 -49.625,-5.465 -47.085,-5.465 -44.545,-5.465 -42.005,-5.465 -39.465,-5.465 -36.925,-5.465 -34.385,-5.465 -31.845,-5.465 -29.305,-5.465 -26.765,-5.465 -24.225,-5.465 -54.705,-2.925 -52.165,-2.925 -49.625,-2.925 -47.085,-2.925 -44.545,-2.925 -42.005,-2.925 -39.465,-2.925 -36.925,-2.925 -34.385,-2.925 -31.845,-2.925 -29.305,-2.925 -26.765,-2.925 -24.225,-2.925 -54.705,-0.385 -52.165,-0.385 -49.625,-0.385 -47.085,-0.385 -44.545,-0.385 -42.005,-0.385 -39.465,-0.385 -36.925,-0.385 -34.385,-0.385 -31.845,-0.385 -29.305,-0.385 -26.765,-0.385 -24.225,-0.385 -47.085,2.155 -44.545,2.155 -42.005,2.155 -39.465,2.155 -36.925,2.155 -34.385,2.155 -31.845,2.155 -29.305,2.155 -26.765,2.155 -24.225,2.155 -47.085,4.695 -44.545,4.695 -42.005,4.695 -39.465,4.695 -36.925,4.695 -34.385,4.695 -31.845,4.695 -29.305,4.695 -26.765,4.695 -24.225,4.695

## Keep-outs
Keep-Out Layer:
  lines w0.3: -39.585,9.735 22.115,9.735 22.115,-59.265 -34.785,-59.265 -34.785,-56.965 ccw(c-35.785,-56.965) -35.785,-55.965 -56.685,-55.965 -56.685,5.035 -51.385,5.035 ccw(c-51.385,6.035) -50.385,6.035 -50.385,7.135 -40.585,7.135 ccw(c-40.585,8.135) -39.585,8.135 -39.585,9.735 ; -39.585,9.735 -39.585,9.735

## Other copper
Component Side L1:
  text "1" at -30.971,6.706 h1.27
Layer 2:
  text "2" at -29.913,6.706 h1.27
Layer 5:
  text "5" at -26.103,6.706 h1.27
Layer 3:
  text "3" at -28.643,6.706 h1.27
Layer 4:
  text "4" at -27.373,6.706 h1.27
Bottom Layer L6:
  text "6" at -24.833,6.706 h1.27

## Silkscreen, mask and mechanical layers (free items; w line width, h text height)
Top Overlay:
  circle w0.305: c-3.51,-49.407 r0.152
  region: -22.285,-58.42 -22.285,-54.229 -2.285,-54.229 -2.285,-58.42
  text "FMC HPC to LPC / BREAKOUT" at -21.305,4.21 h3.05
  text "FMCHUB.COM" at -21.285,1.735 h3.05
  text "40" at -22.027,-0.195 h1
  text "40" at -3.828,-0.195 h1
  text "VADJ" at 16.415,-0.815 h1.4
  text "39" at -12.985,-1.465 h1
  text "H40" at 17.44,-1.915 h1.4
  text "38" at -22.027,-2.735 h1
  text "38" at -3.828,-2.735 h1
  text "VADJ" at 16.415,-3.355 h1.4
  text "37" at -12.985,-4.005 h1
  text "G39" at 17.44,-4.455 h1.4
  text "36" at -22.027,-5.275 h1
  text "36" at -3.828,-5.275 h1
  text "GND" at 16.415,-5.895 h1.4
  text "35" at -12.985,-6.545 h1
  text "G38" at 17.44,-6.995 h1.4
  text "34" at -22.027,-7.815 h1
  text "34" at -3.828,-7.815 h1
  text "GND" at 16.415,-8.435 h1.4
  text "33" at -12.985,-9.085 h1
  text "D39" at 17.44,-9.535 h1.4
  text "32" at -22.027,-10.355 h1
  text "32" at -3.828,-10.355 h1
  text "3V3" at 16.415,-10.975 h1.4
  text "31" at -12.985,-11.625 h1
  text "C39" at 17.44,-12.075 h1.4
  text "30" at -22.027,-12.895 h1
  text "30" at -3.828,-12.895 h1
  text "GND" at 16.415,-13.515 h1.4
  text "29" at -12.985,-14.165 h1
  text "G40" at 17.44,-14.615 h1.4
  text "28" at -22.027,-15.435 h1
  text "28" at -3.828,-15.435 h1
  text "12V" at 16.415,-16.055 h1.4
  text "27" at -12.985,-16.705 h1
  text "C37" at 17.44,-17.155 h1.4
  text "26" at -22.027,-17.975 h1
  text "26" at -3.828,-17.975 h1
  text "GND" at 16.415,-18.595 h1.4
  text "25" at -12.985,-19.245 h1
  text "D25" at 17.44,-19.695 h1.4
  text "24" at -22.027,-20.515 h1
  text "24" at -3.828,-20.515 h1
  text "12V" at 16.415,-21.135 h1.4
  text "23" at -12.985,-21.785 h1
  text "C35" at 17.44,-22.235 h1.4
  text "22" at -22.027,-23.055 h1
  text "22" at -3.828,-23.055 h1
  text "GND" at 16.415,-23.675 h1.4
  text "21" at -12.985,-24.325 h1
  text "C21" at 17.44,-24.775 h1.4
  text "20" at -22.027,-25.595 h1
  text "20" at -3.828,-25.595 h1
  text "3V3" at 16.415,-26.215 h1.4
  text "19" at -12.985,-26.865 h1
  text "D40" at 17.44,-27.315 h1.4
  text "18" at -22.027,-28.135 h1
  text "18" at -3.828,-28.135 h1
  text "GND" at 16.415,-28.755 h1.4
  text "17" at -12.985,-29.405 h1
  text "D19" at 17.44,-29.855 h1.4
  text "16" at -22.027,-30.675 h1
  text "16" at -3.828,-30.675 h1
  text "3V3" at 16.415,-31.295 h1.4
  text "15" at -12.985,-31.945 h1
  text "D38" at 17.44,-32.395 h1.4
  text "14" at -22.027,-33.215 h1
  text "14" at -3.828,-33.215 h1
  text "GND" at 16.415,-33.835 h1.4
  text "13" at -12.985,-34.485 h1
  text "G14" at 17.44,-34.935 h1.4
  text "12" at -22.027,-35.755 h1
  text "12" at -3.828,-35.755 h1
  text "3V3" at 16.415,-36.375 h1.4
  text "11" at -12.985,-37.025 h1
  text "D36" at 17.44,-37.475 h1.4
  text "10" at -22.027,-38.295 h1
  text "10" at -3.828,-38.295 h1
  text "GND" at 16.415,-38.915 h1.4
  text "9" at -12.668,-39.565 h1
  text "G11" at 17.44,-40.015 h1.4
  text "8" at -22.027,-40.835 h1
  text "8" at -3.828,-40.835 h1
  text "AUX" at 16.415,-41.455 h1.4
  text "7" at -12.668,-42.105 h1
  text "D32" at 17.44,-42.555 h1.4
  text "6" at -22.027,-43.375 h1
  text "6" at -3.828,-43.375 h1
  text "GND" at 16.415,-43.995 h1.4
  text "5" at -12.668,-44.645 h1
  text "D3" at 17.44,-45.095 h1.4
  text "4" at -22.027,-45.915 h1
  text "4" at -3.828,-45.915 h1
  text "PRS" at 16.415,-46.535 h1.4
  text "3" at -12.668,-47.185 h1
  text "H2" at 17.44,-47.635 h1.4
  text "2" at -22.027,-48.455 h1
  text "2" at -3.828,-48.455 h1
  text "GND" at 16.415,-49.075 h1.4
  text "1" at -12.668,-49.725 h1
  text "C1" at 17.44,-50.175 h1.4
  text "C" at -19.285,-52.265 h1.52
  text "D" at -14.84,-52.265 h1.52
  text "G" at -10.395,-52.265 h1.52
  text "H" at -5.95,-52.265 h1.52
  text "T0018 REV A 2024" at -22.285,-53.975 h1.7
Bottom Overlay:
  circle w0.305: c-3.41,-49.407 r0.152
  circle w0.305: c-20.71,-49.507 r0.152
  text "www.iamelectronic.com" at -5.205,1.21 h1.53
  text "40" at -20.34,-0.195 h1
  text "40" at -2.14,-0.195 h1
  text "VADJ" at 19.675,-0.825 h1.4
  text "39" at -11.296,-1.528 h1
  text "H40" at 19.84,-1.915 h1.4
  text "38" at -20.34,-2.735 h1
  text "38" at -2.14,-2.735 h1
  text "VADJ" at 19.675,-3.355 h1.4
  text "37" at -11.296,-4.068 h1
  text "G39" at 19.84,-4.455 h1.4
  text "36" at -20.34,-5.275 h1
  text "36" at -2.14,-5.275 h1
  text "GND" at 19.123,-5.895 h1.4
  text "35" at -11.296,-6.608 h1
  text "G38" at 19.84,-6.995 h1.4
  text "34" at -20.34,-7.815 h1
  text "34" at -2.14,-7.815 h1
  text "GND" at 19.123,-8.435 h1.4
  text "33" at -11.296,-9.148 h1
  text "D39" at 19.84,-9.535 h1.4
  text "32" at -20.34,-10.355 h1
  text "32" at -2.14,-10.355 h1
  text "3V3" at 18.815,-10.975 h1.4
  text "31" at -11.296,-11.688 h1
  text "C39" at 19.84,-12.075 h1.4
  text "30" at -20.34,-12.895 h1
  text "30" at -2.14,-12.895 h1
  text "GND" at 19.123,-13.515 h1.4
  text "29" at -11.296,-14.228 h1
  text "G40" at 19.84,-14.615 h1.4
  text "28" at -20.34,-15.435 h1
  text "28" at -2.14,-15.435 h1
  text "12V" at 18.815,-16.055 h1.4
  text "27" at -11.296,-16.768 h1
  text "C37" at 19.84,-17.155 h1.4
  text "26" at -20.34,-17.975 h1
  text "26" at -2.14,-17.975 h1
  text "GND" at 19.123,-18.595 h1.4
  text "25" at -11.296,-19.308 h1
  text "D25" at 19.84,-19.695 h1.4
  text "24" at -20.34,-20.515 h1
  text "24" at -2.14,-20.515 h1
  text "12V" at 18.815,-21.135 h1.4
  text "23" at -11.296,-21.848 h1
  text "C35" at 19.84,-22.235 h1.4
  text "22" at -20.34,-23.055 h1
  text "22" at -2.14,-23.055 h1
  text "GND" at 19.123,-23.675 h1.4
  text "21" at -11.296,-24.388 h1
  text "C21" at 19.84,-24.775 h1.4
  text "20" at -20.34,-25.595 h1
  text "20" at -2.14,-25.595 h1
  text "3V3" at 18.815,-26.215 h1.4
  text "19" at -11.296,-26.928 h1
  text "D40" at 19.84,-27.315 h1.4
  text "18" at -20.34,-28.135 h1
  text "18" at -2.14,-28.135 h1
  text "GND" at 19.123,-28.755 h1.4
  text "17" at -11.296,-29.468 h1
  text "D19" at 19.84,-29.855 h1.4
  text "16" at -20.34,-30.675 h1
  text "16" at -2.14,-30.675 h1
  text "3V3" at 18.815,-31.295 h1.4
  text "15" at -11.296,-32.008 h1
  text "D38" at 19.84,-32.395 h1.4
  text "14" at -20.34,-33.215 h1
  text "14" at -2.14,-33.215 h1
  text "GND" at 19.123,-33.835 h1.4
  text "13" at -11.296,-34.548 h1
  text "G14" at 19.84,-34.935 h1.4
  text "12" at -20.34,-35.755 h1
  text "12" at -2.14,-35.755 h1
  text "3V3" at 18.815,-36.375 h1.4
  text "11" at -11.296,-37.088 h1
  text "D36" at 19.84,-37.475 h1.4
  text "10" at -20.34,-38.295 h1
  text "10" at -2.14,-38.295 h1
  text "GND" at 19.123,-38.915 h1.4
  text "9" at -11.804,-39.628 h1
  text "G11" at 19.84,-40.015 h1.4
  text "8" at -3.093,-40.835 h1
  text "8" at -20.392,-40.935 h1
  text "AUX" at 19.123,-41.455 h1.4
  text "7" at -11.804,-42.168 h1
  text "D32" at 19.84,-42.555 h1.4
  text "6" at -3.093,-43.375 h1
  text "6" at -20.392,-43.475 h1
  text "GND" at 19.123,-43.995 h1.4
  text "5" at -11.804,-44.708 h1
  text "D3" at 19.84,-45.095 h1.4
  text "4" at -3.093,-45.915 h1
  text "4" at -20.392,-46.015 h1
  text "PRS" at 18.815,-46.535 h1.4
  text "3" at -11.804,-47.248 h1
  text "H2" at 19.84,-47.635 h1.4
  text "2" at -3.093,-48.455 h1
  text "2" at -20.392,-48.555 h1
  text "GND" at 19.123,-49.075 h1.4
  text "1" at -11.804,-49.788 h1
  text "C1" at 19.84,-50.175 h1.4
  text "C" at -18.015,-52.265 h1.52
  text "D" at -13.57,-52.265 h1.52
  text "G" at -9.125,-52.265 h1.52
  text "H" at -4.68,-52.265 h1.52
  text "FMCHUB.COM" at -2.785,-55.765 h3.05
Top Solder:
  region: -31.369,8.636 -23.241,8.636 -23.241,6.35 -31.369,6.35
Solder Side:
  region: -31.369,8.636 -23.241,8.636 -23.241,6.35 -31.369,6.35
Mechanical 2:
  drawing of 399 lines, arcs and shapes, not listed
  text "FMC single width / ------------------- / [ ] Low-pin count / [x] High-pin count / ------------------- / [ ] Region 1 / [x] Region 2 / [x] Region 3 / ------------------- / [x] Commercial grade / [ ] Ruggedized / ------------------- / [x] Air cooled / [ ] Conduction cooled /       [ ] Primary thermal interface /       [ ] Secondary thermal interface" at 30,-24.765 h1.52
  text "FMCHUB.COM" at -47.41,-26.94 h7
  text "Layer" at 30.934,-28.998 h1.52
  text "Name" at 41.346,-28.998 h1.52
  text "Material" at 69.278,-28.998 h1.52
  text "Thickness" at 91.116,-28.998 h1.52
  text "Constant" at 107.622,-28.998 h1.52
  text "Board Layer Stack" at 122.096,-28.998 h1.52
  text "Top Overlay" at 41.346,-32.046 h1.52
  text "Top Solder" at 41.346,-35.094 h1.52
  text "Solder Resist" at 69.278,-35.094 h1.52
  text "0.010mm" at 91.116,-35.094 h1.52
  text "3.5" at 107.622,-35.094 h1.52
  text "1" at 30.934,-38.142 h1.52
  text "Component Side L1" at 41.346,-38.142 h1.52
  text "0.036mm" at 91.116,-38.142 h1.52
  text "Dielectric 2" at 41.346,-41.19 h1.52
  text "PP-006" at 69.278,-41.19 h1.52
  text "0.130mm" at 91.116,-41.19 h1.52
  text "4.45" at 107.622,-41.19 h1.52
  text "2" at 30.934,-44.238 h1.52
  text "Layer 2" at 41.346,-44.238 h1.52
  text "CF-004" at 69.278,-44.238 h1.52
  text "0.035mm" at 91.116,-44.238 h1.52
  text "Dielectric 4" at 41.346,-47.286 h1.52
  text "Core-009" at 69.278,-47.286 h1.52
  text "0.430mm" at 91.116,-47.286 h1.52
  text "4.6" at 107.622,-47.286 h1.52
  text "3" at 30.934,-50.334 h1.52
  text "Layer 3" at 41.346,-50.334 h1.52
  text "CF-004" at 69.278,-50.334 h1.52
  text "0.035mm" at 91.116,-50.334 h1.52
  text "Dielectric 1" at 41.346,-53.382 h1.52
  text "PP-021" at 69.278,-53.382 h1.52
  text "0.196mm" at 91.116,-53.382 h1.52
  text "4.74" at 107.622,-53.382 h1.52
  text "4" at 30.934,-56.43 h1.52
  text "Layer 4" at 41.346,-56.43 h1.52
  text "CF-004" at 69.278,-56.43 h1.52
  text "0.035mm" at 91.116,-56.43 h1.52
  text "Dielectric 5" at 41.346,-59.478 h1.52
  text "Core-009" at 69.278,-59.478 h1.52
  text "0.430mm" at 91.116,-59.478 h1.52
  text "4.6" at 107.622,-59.478 h1.52
  text "5" at 30.934,-62.526 h1.52
  text "Layer 5" at 41.346,-62.526 h1.52
  text "CF-004" at 69.278,-62.526 h1.52
  text "0.035mm" at 91.116,-62.526 h1.52
  text "Dielectric 3" at 41.346,-65.574 h1.52
  text "PP-006" at 69.278,-65.574 h1.52
  text "0.130mm" at 91.116,-65.574 h1.52
  text "4.45" at 107.622,-65.574 h1.52
  text "6" at 30.934,-68.622 h1.52
  text "Bottom Layer L6" at 41.346,-68.622 h1.52
  text "0.036mm" at 91.116,-68.622 h1.52
  text "Solder Side" at 41.346,-71.67 h1.52
  text "Solder Resist" at 69.278,-71.67 h1.52
  text "0.010mm" at 91.116,-71.67 h1.52
  text "3.5" at 107.622,-71.67 h1.52
  text "Bottom Overlay" at 41.346,-74.718 h1.52
  text "FMC HPC to LPC breakout / single width / commercial grade" at 30,-95 h7
Mechanical 14:
  circle w0.254: c3.715,6.735 r1.35
  circle w0.254: c-50.885,2.785 r1.35
  circle w0.254: c3.715,-56.265 r1.35
  circle w0.254: c-50.885,-53.765 r1.35
  lines w0.3: -39.585,9.735 22.115,9.735 22.115,-59.265 -34.785,-59.265 -34.785,-56.965 ccw(c-35.785,-56.965) -35.785,-55.965 -56.685,-55.965 -56.685,5.035 -51.385,5.035 ccw(c-51.385,6.035) -50.385,6.035 -50.385,7.135 -40.585,7.135 ccw(c-40.585,8.135) -39.585,8.135 -39.585,9.735 ; -39.585,9.735 -39.585,9.735
  text "All dimensions are in mm." at -13.885,15.31 h1.52
  text "FMCHUB.COM" at -48.905,-28.39 h10.16
  text "2.7mm" at -50.905,-51.69 h1.27
  text "2.7mm" at -5.105,-56.29 h1.27
Drill Drawing:
  circle w0.254: c-47.33,-72.833 r0.857
  lines w0.254: -48.186,-88.683 -47.758,-88.683 -47.758,-89.111 -46.901,-89.111 -46.901,-88.683 -46.473,-88.683 -46.473,-87.826 -46.901,-87.826 -46.901,-87.398 -47.758,-87.398 -47.758,-87.826 -48.186,-87.826 -48.186,-88.683 ; -48.186,-85.256 -46.473,-85.256 -46.473,-83.543 -48.186,-83.543 -48.186,-85.256 ; -48.186,-80.972 -47.758,-80.972 -47.33,-81.401 -46.901,-80.972 -46.473,-80.972 -46.901,-80.544 -46.473,-80.116 -46.901,-80.116 -47.33,-79.687 -47.758,-80.116 -48.186,-80.116 -47.758,-80.544 -48.186,-80.972 ; -48.186,-75.832 -46.473,-75.832 -47.33,-77.545 -48.186,-75.832 ; -47.844,-88.512 -47.587,-88.512 -47.587,-88.769 -47.073,-88.769 -47.073,-88.512 -46.816,-88.512 -46.816,-87.998 -47.073,-87.998 -47.073,-87.741 -47.587,-87.741 -47.587,-87.998 -47.844,-87.998 -47.844,-88.512
  lines w0.381: -49.722,-90.268 23.531,-90.268 ; -49.722,-70.991 23.531,-70.991 ; -35.573,-94.123 -35.573,-67.136 ; -20.162,-94.123 -20.162,-67.136 ; 9.382,-94.123 9.382,-67.136 ; -49.722,-94.123 23.531,-94.123 23.531,-67.136 -49.722,-67.136 -49.722,-94.123
  text "Symbol" at -47.409,-69.835 h1.85
  text "Count" at -34.416,-69.835 h1.85
  text "Hole Size" at -19.005,-69.835 h1.85
  text "Plated" at 10.538,-69.835 h1.85
  text "560" at -34.416,-73.69 h1.54
  text "0.300mm (11.81mil)" at -19.005,-73.69 h1.54
  text "PTH" at 10.538,-73.69 h1.54
  text "4" at -34.416,-77.545 h1.54
  text "0.914mm (36.00mil)" at -19.005,-77.545 h1.54
  text "NPTH" at 10.538,-77.545 h1.54
  text "323" at -34.416,-81.401 h1.54
  text "1.016mm (40.00mil)" at -19.005,-81.401 h1.54
  text "PTH" at 10.538,-81.401 h1.54
  text "4" at -34.416,-85.256 h1.54
  text "1.270mm (50.00mil)" at -19.005,-85.256 h1.54
  text "NPTH" at 10.538,-85.256 h1.54
  text "4" at -34.416,-89.111 h1.54
  text "2.700mm (106.30mil)" at -19.005,-89.111 h1.54
  text "PTH" at 10.538,-89.111 h1.54
  text "895 Total" at -34.416,-92.967 h1.54

## Dimensions
-50.885,-53.765 to -56.685,-55.965 on Mechanical 14
-34.785,-59.265 to -56.685,-55.965 on Mechanical 14
-56.685,5.035 to -50.385,7.135 on Mechanical 14
-56.685,5.035 to -50.385,7.135 on Mechanical 14
22.115,-59.265 to 22.115,9.735 on Mechanical 14
-56.685,5.035 to -56.685,-55.965 on Mechanical 14
-56.685,-55.965 to -34.785,-59.265 on Mechanical 14
-34.785,-59.265 to 22.115,-59.265 on Mechanical 14
-39.585,9.735 to -50.385,7.135 on Mechanical 14
-39.585,9.735 to 22.115,9.735 on Mechanical 14
3.715,-56.265 to 22.115,-59.265 on Mechanical 14
3.715,-56.265 to 22.115,-59.265 on Mechanical 14
-50.885,2.785 to -39.585,9.735 on Mechanical 14
-50.885,-53.765 to -56.685,-55.965 on Mechanical 14

## Text inside footprints (layer, text, board x,y; h text height)
STR1: Bottom Overlay "I A M" at -5.205,4.71 h5.97; Bottom Overlay "ELECTRONIC" at -5.205,2.46 h2.25